# Altium PCB SVEC.pcbdoc (part 3 of 18) (continued)
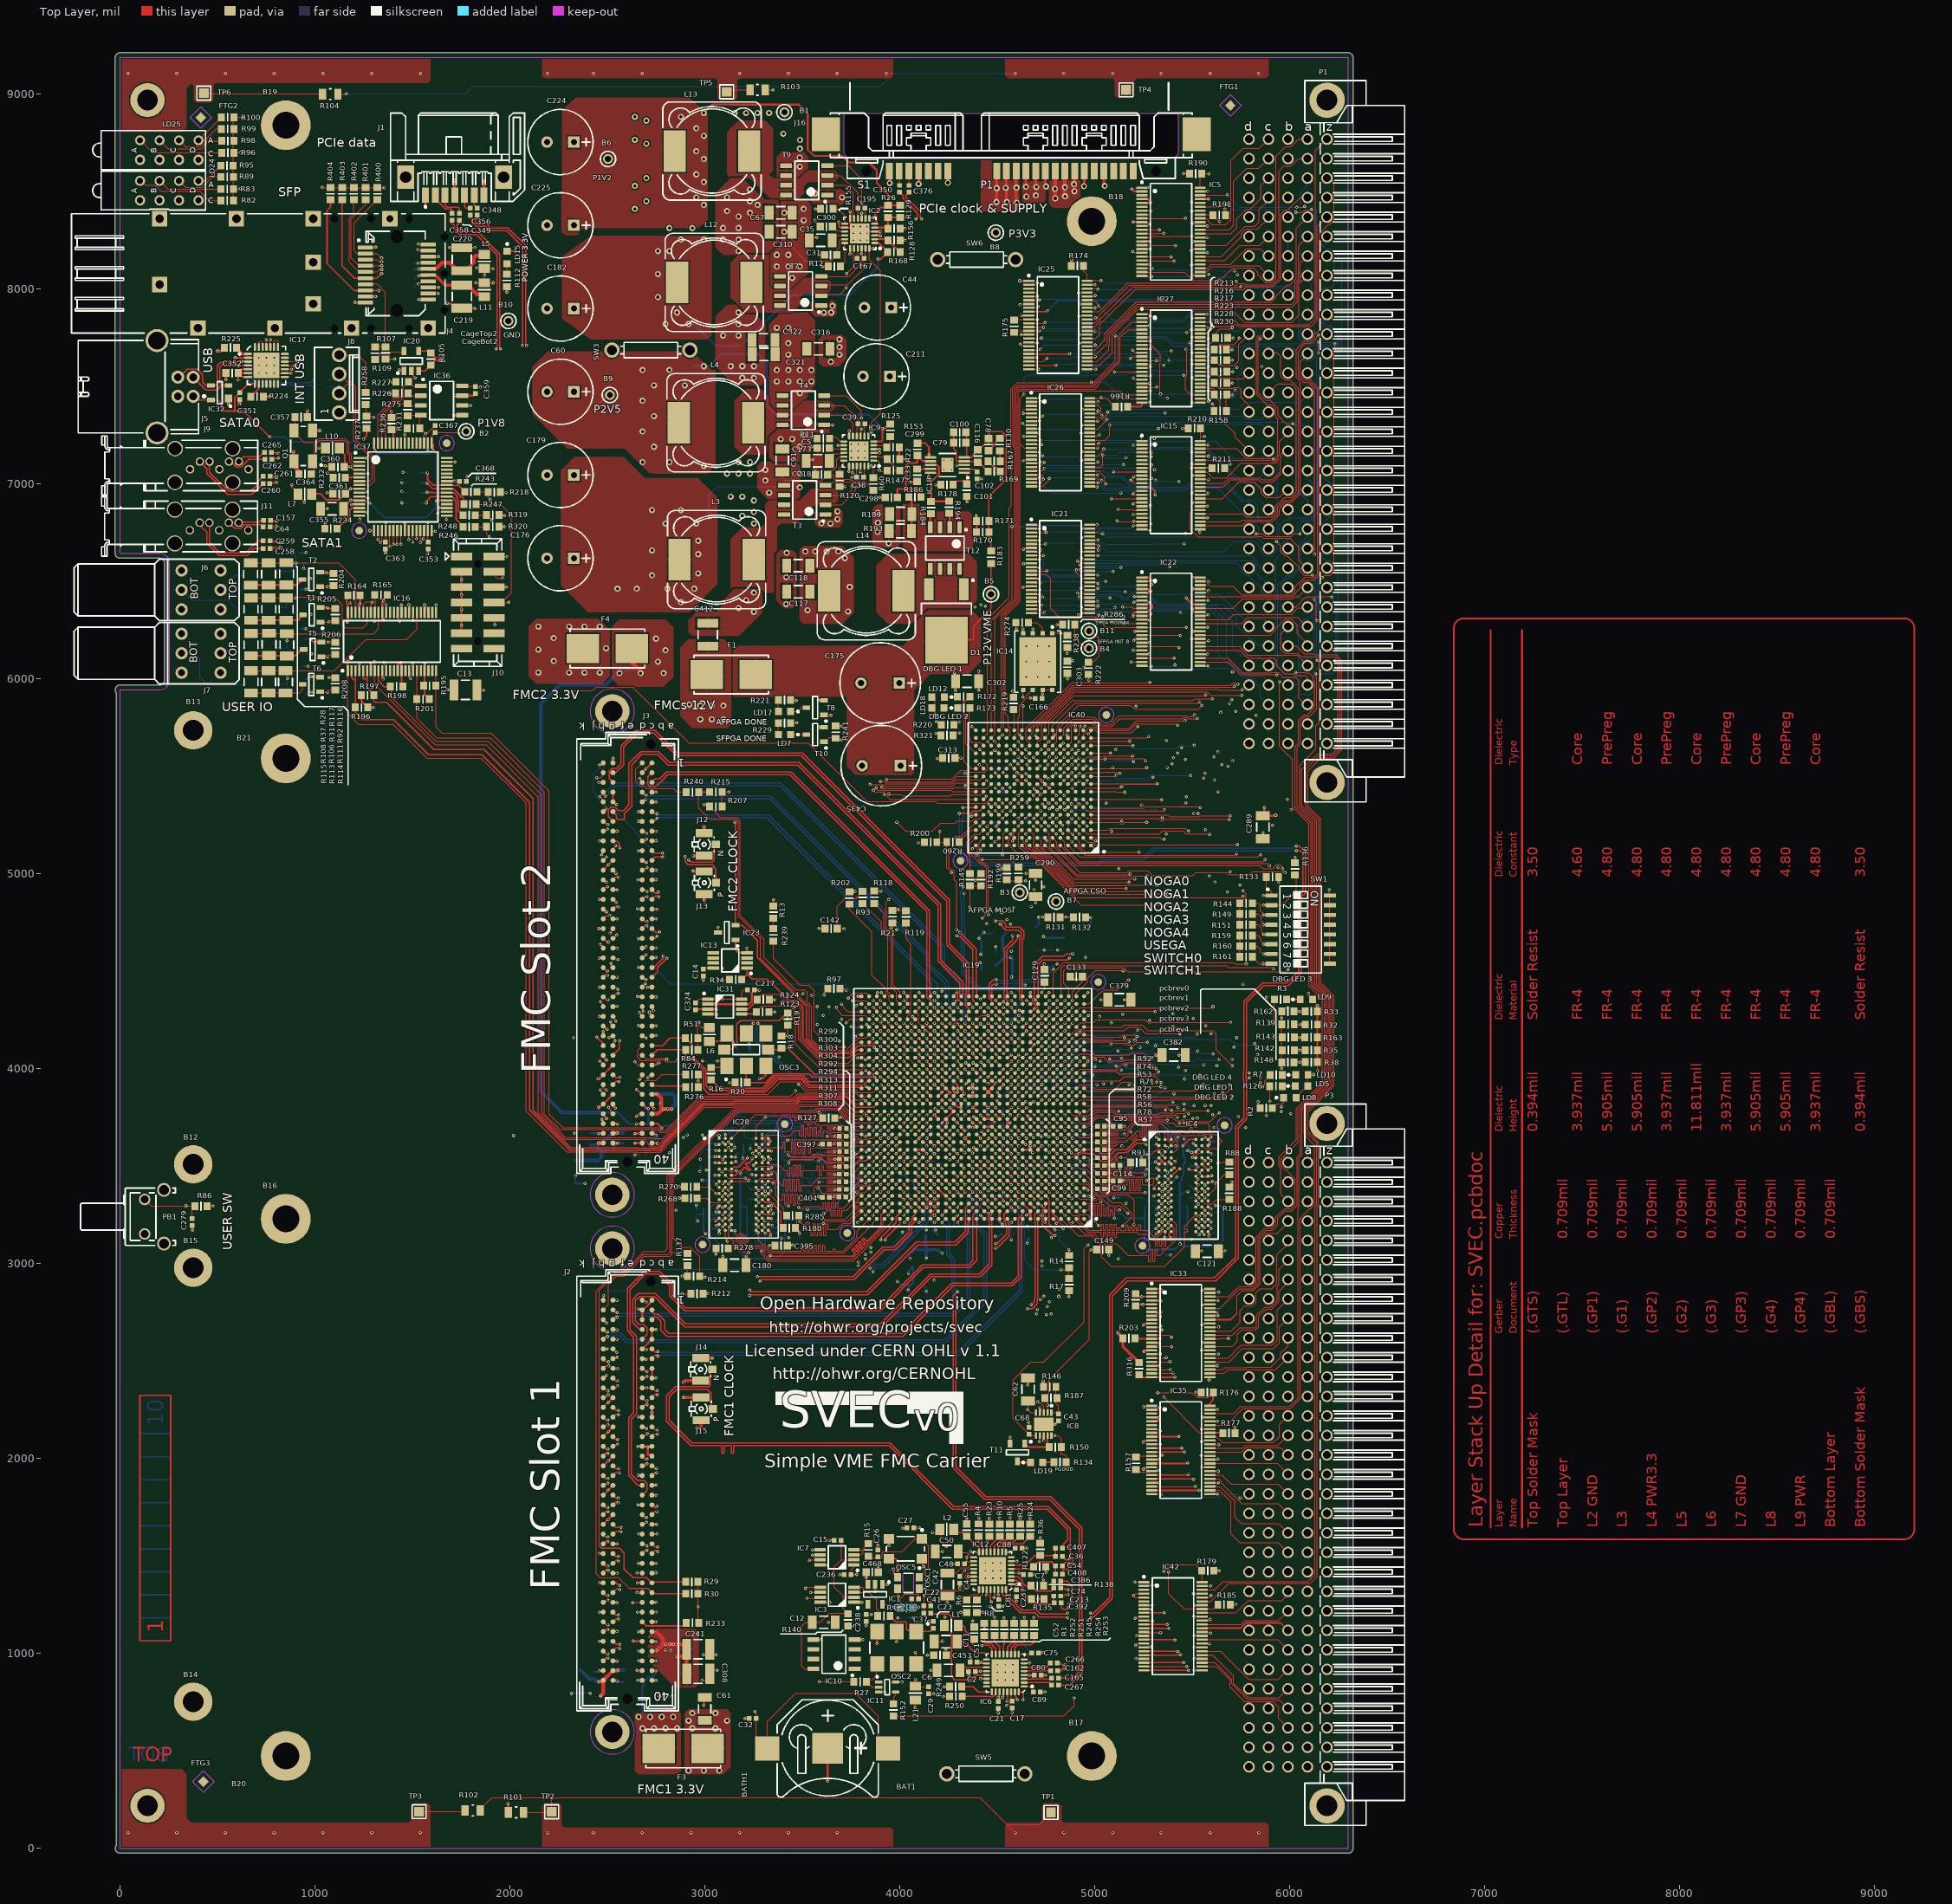
[diagram p0: Top Layer view]
## Footprints (in the part's own frame and the unit in brackets; to place one, negate y for a bottom-side part, rotate by r counter-clockwise, add the part's x,y. Pads: shape width x height; smd on the part's side, far side on the other; paste and mask are expansions set on the pad) (continued)
  rect 1.55x0.55 smd: 1(-3.8,4.445) 2(-3.8,3.175) 3(-3.8,1.905) 4(-3.8,0.635) 5(-3.8,-0.635) 6(-3.8,-1.905) 7(-3.8,-3.175) 8(-3.8,-4.445) 9(3.8,-4.445) 10(3.8,-3.175) 11(3.8,-1.905) 12(3.8,-0.635) 13(3.8,0.635) 14(3.8,1.905) 15(3.8,3.175) 16(3.8,4.445)
  silkscreen extent -4.42,-5.65 2.7,5.65, body extent -4.06,-5.64 4.06,5.64, height 2.36
TO228P991X239-3N-R546X521 [mm] "TO-252AA DPAK TO, 2.28mm pitch; 2 pin,9.905mm L X 6.095mm W X 2.39mm H body, IPC Medium Density"
  rect 2.85x1.25 smd: 1(-4.15,2.28) 2(-4.15,-2.28)
  rect 6.1x5.55 smd: 3(2.5,0)
  silkscreen extent -5.42,-3.25 -0.9,3.58, body extent -5,-3.38 5.27,3.37, height 2.38
TPS127 [mil] "1.27 x  1.27mm SMD Test Point Area"
  rect 50x50 smd paste-50: 1(0,0)
  silkscreen extent -35,-35 35,35
TYCO_292304-1 [mm] "Thru Hole, Right Angle, 4 Position, Type B, USB Receptacle"
  round 1.7 hole 1: 1(1.25,1) 2(-1.25,1) 3(-1.25,-1) 4(1.25,-1)
  round 3 hole 2.3: 5(-6.02,-3.71) 5(6.02,-3.71)
  silkscreen extent -6.13,-13.98 6.13,2.58, body extent -7.19,-13.98 7.19,1.72, height 11.5
TYCO_1367073-1 [mm] "20 Position, Pitch 0.8mm SFP Receptacle (Small Form-factor Pluggable)"
  rect 2x0.5 smd: 1(-4.1,3.395) 2(-4.1,2.595) 3(-4.1,1.795) 4(-4.1,0.995) 5(-4.1,0.195) 6(-4.1,-0.605) 7(-4.1,-1.405) 8(-4.1,-2.205) 9(-4.1,-3.005) 10(-4.1,-3.805) 11(4.1,-3.405) 12(4.1,-2.605) 13(4.1,-1.805) 14(4.1,-1.005) 15(4.1,-0.205) 16(4.1,0.595) 17(4.1,1.395) 18(4.1,2.195) 19(4.1,2.995) 20(4.1,3.795)
  round 1 hole 1.6 unplated mask+0.28: MTG1(0,4.795) MTG2(0,-4.805)
  silkscreen extent -42.4,-7.77 6.3,7.77, body extent -4.5,-5.5 4.5,5.5, height 5.22
TYCO_6367034-1 [mm] "Cage bottom For Single Port SFP  (Small Form-factor Pluggable)"
  rect 2x2 hole 1.1: 21(-30.9,7.125) 22(-20.9,7.125) 23(-10.9,7.125) 25(-25.9,-7.125) 26(-15.9,-7.125) 27(-5.9,-7.125) 28(4.1,-7.125) 29(-30.9,-1.455) 30(-10.9,-3.955) 31(-10.9,1.445)
  rect 2x2 hole 0.9: 24(-0.9,7.125)
  round 0.5 hole 1 unplated mask+0.25: 32(-8.1,7.125) 33(-3.4,7.125) 34(1.6,7.125) 35(-8.1,-7.125) 36(-3.4,-7.125) 37(1.6,-7.125)
  silkscreen extent -42.4,-7.77 6.3,7.77, body extent -42.4,-7.77 6.1,7.77, height 8.8
TYCO_6367035-1 [mm] "Cage Top For Single Port SFP  (Small Form-factor Pluggable)"
  round 0.5 hole 1 unplated mask+0.25: CAGE(6.2,-4.805) CAGE(6.2,-0.005) CAGE(6.2,4.795)
  silkscreen extent -42.4,-7.77 6.3,7.77, body extent -42.4,-7.77 6.3,7.89, height 10.34
XTAL_ABRACON_ABM3B [mm] "ABM3B Serie, SMD Cristal, Body 5.x3.2mm"
  rect 1.2x1.8 smd: 1(-1.2,2) 2(-1.2,-2) 3(1.2,-2) 4(1.2,2)
  silkscreen extent -2.45,-2.55 1.65,2.62, body extent -1.65,-2.55 1.65,2.55, height 1.1

## Part data
B1 B2 B3 B4 B5 B6 B7 B8 B9 B10 B11: library part PLATED_HOLE0.8_PAD1.3, "Single Terminal Socket"
B12 B13 B14 B15: library part PLATED_HOLE2.7_PAD5.0, "Single Terminal Socket"
B16 B17 B18 B19 B20 B21: library part PLATED_HOLE3.5_PAD6.5, "Single Terminal Socket"
BAT1: library part BAT_VARTA_CR1220, "Battery for use only with Socket Holder"
BATH1: library part BATH_KEYSTONE_3000, "Battery Holder whit 2 Pin"
C1 C2 C3 C4 C7 C8 C9 C10 C14 C15 C17 C18 C19 C20 C21 C22 C23 C24 C25 C26 C27 C28 C29 C30 C32 C34 C36 C37 C38 C39 C40 C41 C43 C48 C51 C53 C54 C57 C58 C59 C64 C68 C74 C75 C80 C81 C88 C89 C92 C94 C95 C96 C97 C98 C99 C102 C103 C104 C105 C106 C107 C108 C109 C112 C113 C114 C115 C123 C124 C125 C126 C127 C132 C150 C151 C152 C153 C154 C155 C156 C157 C158 C159 C160 C161 C162 C164 C165 C166 C167 C168 C170 C171 C172 C174 C177 C178 C184 C185 C186 C187 C188 C189 C190 C191 C192 C193 C194 C195 C196 C197 C198 C199 C201 C202 C203 C204 C205 C206 C207 C208 C213 C214 C215 C216 C217 C221 C222 C223 C226 C227 C228 C229 C230 C231 C232 C233 C234 C235 C236 C237 C238 C239 C240 C242 C243 C244 C245 C246 C247 C248 C249 C250 C251 C252 C253 C254 C255 C256 C257 C258 C259 C260 C261 C262 C263 C264 C265 C266 C267 C274 C275 C276 C277 C278 C279 C280 C281 C282 C283 C284 C285 C286 C287 C288 C291 C292 C293 C294 C295 C296 C297 C306 C307 C314 C315 C317 C318 C319 C320 C323 C324 C325 C326 C327 C328 C329 C330 C331 C332 C333 C334 C335 C336 C337 C338 C339 C340 C341 C342 C343 C344 C345 C346 C347 C348 C349 C350 C351 C353 C354 C356 C358 C359 C362 C363 C365 C366 C367 C368 C369 C370 C371 C372 C373 C376 C378 C383 C384 C385 C386 C387 C388 C389 C390 C391 C392 C393 C394 C397 C398 C399 C400 C401 C402 C403 C404 C405 C406 C407 C408 C436 C437 C447 C457 C464 C465 C500 C501 C506 C507 C512 C513 C516 C517 C519 C520 C521 C522: library part CC0402_100NF_16V_10%_X7R, "Non-polarised capacitor"
C5 C16 C31 C33 C52 C55 C65 C69 C70 C73 C76 C84 C85 C86 C87 C110 C111 C120 C122 C129 C130 C131 C133 C134 C140 C141 C142 C143 C144 C145 C146 C147 C149 C200 C218 C270 C271 C272 C273 C300 C303 C304 C305 C311 C312 C313 C352 C360 C361 C395 C396 C431 C453 C468: library part CC0603_1UF_16V_10%_X7R, "Non-polarised capacitor"
C6 C11 C12 C35 C42 C45 C46 C47 C49 C50 C56 C61 C62 C63 C66 C67 C71 C72 C77 C82 C83 C90 C91 C93 C117 C118 C119 C121 C128 C135 C136 C137 C138 C139 C148 C163 C169 C173 C180 C181 C183 C209 C210 C212 C268 C269 C289 C290 C302 C309 C310 C316 C321 C322 C355 C374 C375 C377 C379 C380 C381 C382: library part CC1206_22UF_10V_10%_X7R, "Non-polarised capacitor"
C13 C219 C220 C241 C301 C308 C412: library part CC1210_10UF_25V_10%_X7R, "Non-polarised capacitor"
C44 C60 C176 C179 C182 C211 C224 C225: library part CAER_150UF_6.3V_20%_SANYO_6SEQP150M, "Polarised capacitor"
C78: library part CC0603_5.6NF_50V_5%_X7R, "Non-polarised capacitor"
C79 C100 C357 C364: library part CC0603_27PF_50V_5%_NP0, "Non-polarised capacitor"
C101 C116 C298 C299: library part CC0603_100PF_50V_5%_NP0, "Non-polarised capacitor"
C175 C435: library part CAER_150UF_16V_20%_SANYO_16SEQP150M, "Polarised capacitor"
CageBot2: library part TYCO_6367034-1, "SFP  Cage Bottom (Small Form-factor Pluggable)"
CageTop2: library part TYCO_6367035-1, "SFP  Cage Top (Small Form-factor Pluggable)"
D1: "Diode  Schottky Anode pin 1 and 2 cathode pin 3"
D2 D3 D4 D5: "Serial Diode"
F1 F3 F4: library part FUSE_LITTELFUSE_0154003.DR, "Fuse"
F2 F5 F6 F7: library part FUSR1812_TYCO-miniSMD0114F, "Fuse"
FTG1 FTG2 FTG3 FTG4 FTG5 FTG6: library part FIDUCIAL_TARGET_S100-200, "Fiducial Target"
IC1: "150mA Micropower Low-Dropout CMOS Voltage Regulator"
IC2 IC9: "Dual Synchronous Step-Down Controller For Low Voltage Power Rails"
IC3 IC7: "2.7V to 5.5V, 250uA, Rail-to-Rail Output 16-Bit nanoDAC"
IC4 IC28: "16 Meg x 16 x 8 Banks DDR3 SDRAM"
IC5 IC15 IC16 IC21 IC22 IC25 IC26 IC27 IC33 IC35 IC42: "8-Bit Universal Bus Transceiver and Two 1-Bit Bus Transceivers with 3-State Outputs"
IC6 IC12: "Four Output, Integrated VCO, Low-Jitter Clock Generator"
IC8: "Sink/Source DDR Termination Regulator"
IC10: "Reference Diode"
IC11: "Single Inverter Buffer"
IC13: "Programmable Resolution 1-Wire Digital Thermometer"
IC14: "128 Mbit (Multilevel), low-voltage, Serial Flash memory with 50-MHz SPI bus interface"
IC17: "Single-Chip USB to UART Bridge"
IC18: "4.5V To 52v Input Current Mode Boost Controller"
IC19: "SPARTAN-6, FPGA, 900-Ball BGA, Commercial Grade, Pb-Free"
IC20: "High-Speed Differential Line Receiver"
IC23: "3.075V Microcontroller Supervisory Circuit With Push-Pull Output"
IC31: "64K I2C Serial EEPROM"
IC32: "Ultra Low Capacitance Double Rail-to-Rail ESD Protection Diode"
IC36: "1Kb (x8/x16) Serial Microwire Bus EEPROM"
IC37: "Dual High Speed USB to Multipurpose UART/FIFO IC"
IC40: "Spartan-6 LX 1.2V FPGA, 186 User I/Os, 256-Ball Fine-Pitch Thin BGA (1.0mm Pitch), Speed Grade 2, Commercial Grade, Pb-Free"
J1: library part 3M_5607-4200-SH, "7 Pin + 1 Shield SATA Receptacle"
J2 J3: library part SAMTEC_ASP-134603-01, "Connector VITA 57, 160 Female contacts in 4 row cdgh"
J4: library part TYCO_1367073-1, "20 Position SFP  Connector (Small Form-factor Pluggable)"
J5: library part TYCO_292304-1, "4 Pin + 1 Shield USB Receptacle"
J6 J7: library part LEMO_EPY.00.250.NTNY, "Dual Female Coax 1-2 Common Shield 3"
J8: library part MOLEX_22-04-1041, "Connector 4 Male"
J9 J11: library part FCI_10074141-001LF, "7 Pin + 1 Shield SATA Receptacle"
J10: library part MOLEX_87832-1420, "Connector 14 Male"
J12 J13 J14 J15: library part HIROSE_U.FL-R-SMT-1(10)
J16: library part MOLEX_87703-0001, "7 Signal Pin + 15 Power Pin SATA Connecteur"
L1 L2 L5 L6 L7 L8 L9 L10 L11 L21: library part IND0805_MURATA_BLM21PG221SN1D, "Inductor"
L3 L4 L12 L13 L14: library part IND_1.5UH_30%_BOURNS_SRR1260, "Inductor"
LD5 LD7 LD8 LD9 LD10 LD12 LD15 LD17 LD18 LD19: library part LED_ROHM_SML-311UTT86K, "LED Red 1C 2A"
LD24 LD25: library part LED_BIVAR_H485CHDL, "LED x4 Red 1C2A-BOT_3C4A_5C6A_7C8A-TOP"
OSC1: library part OSC_25MHZ_RAKON_IVT3205CR, "Oscillator 4 pins 1=VCO 3=GND 4=OUT 6=VDC"
OSC2: library part "OSC_20MHZ_IQD_LF VCXO026156", "3.3V ±100ppm 15pF HCMOS Tri-State Surface Mount Voltage Controlled Oscillator VCXO (CFPV-45 Serie)"
OSC3: library part OSC_10-280MHZ_SILICON-LAB_Si570BBC000121DG, "Any-Rate I2C Programmable XO Oscillator Si570 Serie"
OSC5: library part OSC_25MHZ_MERCURY_VM53S3-25.000-2.5/-30+75, "Oscillator 4 pins 1=VC 2=GND 3=OUT 4=+Vs"
P1 P3: library part "HARTING_02 01 160 2101", "Connector 160zabcd Male (5x32)"
PB1: library part PB_ALPS_SKHHLQA010, "Push-Button Switch SPDT"
Q1: library part XTAL_12MHZ_ABRACON_ABM3B-12.000MHZ-B2-T, "Crystal 4 pins 1=XTAL Control 2=GND3=XTAL 4=GND"
R1 R4 R5 R6 R8 R10 R17 R23 R24 R25 R107 R121 R132 R154 R245 R249 R250 R251 R252 R253 R254 R262 R263 R279 R315: library part R0603_0R_JUMPER, "Resistor - 1%"
R2 R3 R7 R29 R30 R51 R82 R83 R84 R89 R95 R96 R98 R99 R100 R112 R126 R134 R172 R173 R186 R221 R229 R239 R275: library part R0603_1K1_1%_0.1W_100PPM, "Resistor - 1%"
R9 R15 R36 R118 R122 R135 R138 R140 R180 R188 R202: library part R0603_240R_1%_0.1W_100PPM, "Resistor - 1%"
R11 R12 R14 R18 R19 R20 R21 R60 R86 R87 R88 R90 R120 R131 R155 R170 R270 R278 R285: library part R0603_5K1_1%_0.1W_100PPM, "Resistor - 1%"
R13 R27 R97 R152 R184 R194 R259 R260 R274: library part R0603_39R_1%_0.1W_100PPM, "Resistor - 1%"
R16 R91 R105 R109 R110 R127 R141 R145 R243 R246 R247 R248 R268 R291: library part R0603_100R_1%_0.1W_100PPM, "Resistor - 1%"
R22 R93 R119 R123 R124 R153 R192 R199 R200 R222 R238 R244 R255 R256 R257 R286 R321: library part R0603_3K3_1%_0.1W_100PPM, "Resistor - 1%"
R26 R125 R147 R156 R171: library part R0603_7K5_1%_0.1W_100PPM, "Resistor - 1%"
R28 R31 R37 R92 R106 R108 R111 R113 R114 R115 R116 R117: library part R1206_150R_1%_0.25W_100PPM, "Resistor - 1%"
R32 R33 R34 R35 R38 R133 R136 R137 R139 R142 R143 R144 R148 R149 R151 R159 R160 R161 R162 R163 R207 R212 R233 R240 R276 R277: library part R0603_4K7_1%_0.1W_100PPM, "Resistor - 1%"
R39 R40 R41 R42 R43 R44 R45 R46 R47 R48 R49 R50 R52 R53 R54 R55 R56 R57 R58 R59 R61 R62 R63 R64 R65 R66 R67 R68 R69 R70 R71 R72 R73 R74 R75 R76 R77 R78 R79 R80 R81 R85 R94 R181 R182 R235 R242 R261 R264 R265 R266 R267 R269 R271 R272 R273 R280 R281 R282 R283 R284 R287 R288 R289 R290 R292 R293 R294 R295 R296 R297 R298 R299 R300 R301 R302 R303 R304 R305 R306 R307 R308 R309 R310 R311 R312 R313 R314: library part R0402_51R_1%_0.0625W_100PPM, "Resistor - 1%"
R101 R102 R103 R104: library part R0805_2M2_1%_0.125W_100PPM, "Resistor - 1%"
R128 R129 R130 R146 R150 R157 R158 R164 R165 R166 R167 R168 R174 R175 R176 R177 R179 R185 R187 R190 R191 R195 R196 R197 R198 R201 R203 R204 R205 R206 R208 R209 R210 R211 R213 R214 R215 R216 R217 R218 R219 R220 R223 R224 R225 R226 R227 R228 R230 R231 R234 R236 R237 R241 R258 R316 R319 R320 R400 R401 R402 R403 R404: library part R0603_10K_1%_0.1W_100PPM, "Resistor - 1%"
R169 R183: library part R0603_47K_1%_0.1W_100PPM, "Resistor - 1%"
R178: library part R0603_470K_1%_0.1W_100PPM, "Resistor - 1%"
R189 R193: library part R1206_0R22_1%_0.5W_600PPM, "Resistor - 1%"
R232: library part R0603_12K1_0.1%_0.063W_10PPM, "Resistor - 0.1%"
SW1: library part SW_TYCO_1-1571983-0, "8 Ways SPST DIP Switch"
SW3 SW5 SW6: library part COMATEL_313.0004.0.00.500, "Jumper 2 pins"
T1 T2 T5 T6 T8 T10 T11: "N-CHANNEL MOSFET WITH DIODE"
T3 T4 T7 T9 T12: "Dual SO-8 MOSFET For POL Cconverter"
TP1 TP2 TP3 TP4 TP5 TP6: library part SMD_PAD_1.27X1.27MM

## Free pads (board coordinates)
  round 175.2 hole 106.3: E1(140.55,8968.51) E2(140.55,218.5) H3(2524.81,5833.86) H4(2524.81,3353.15) H7(2524.81,3077.56) H8(2524.81,597.64)

## Via types
v1: diameter 15.75, hole 7.87, Top Layer to Bottom Layer, tented both sides, 2844 vias
v2: diameter 31.5, hole 15.75, Top Layer to Bottom Layer, tented both sides, 224 vias
v3: diameter 19.68, hole 7.87, Top Layer to Bottom Layer, tented both sides, 31 vias
v4: diameter 15.75, hole 7.87, Top Layer to Bottom Layer, 17 vias

## Nets (pads, with @x,y where several pads share a name; then routed paths per layer and width w, separated by ;. In a path a pad name is that pad's centre, name@x,y a point inside that pad or via, vN(x,y) a via of type N, cw(c..) or ccw(c..) an arc to the next point about the centre after c; other vN are vias at no path point)
2V5_AFPGA_CCLK: IC19.AJ26 R202.2 | length 603
  Top Layer w5: R202.2@3740.55,4844.01 3740.55,4817.51 3855.55,4702.51 3855.55,4480.51 3928.55,4407.51 3928.55,4388.51 3943.61,4373.45 3943.61,4348.56 IC19.AJ26@3960.17,4332
2V5_AFPGA_CSO_B: B7.1 IC19.AK6 | length 646.3
  Top Layer w5: IC19.AK6@4747.57,4371.37 v1@4767.26,4391.06
  L6 w5: v1(4672.55,4831.51) 4774.55,4831.51 B7.1@4800.55,4857.51
  L5 w5: v1(4672.55,4831.51) 4675.55,4828.51 4675.55,4543.51 4767.26,4451.8 v1@4767.26,4391.06
  other v1: 4764.69,4390.64
2V5_AFPGA_INIT_B: IC19.AJ6 R199.1 R259.2 | length 790
  Top Layer w5: R199.1@4548.55,4969.01 4553.06,4964.51 v1(4644.55,4964.51) ; IC19.AJ6@4747.57,4332 v1(4767.25,4351.69)
  L5 w4: v1(4644.55,4964.51) 4658.68,4950.38 4658.68,4825.76 4663.55,4820.89 4663.55,4528.51 4751.55,4440.51 4751.55,4397.13 4750.81,4396.39 4750.81,4368.13 v1(4767.25,4351.69)
2V5_AFPGA_MISO: IC19.AJ25 R118.2 | length 570.3
  Top Layer w5: R118.2@3868.55,4848.01 3918.55,4798.01 3918.55,4718.51 3955.55,4681.51 3955.55,4419.51 3983.2,4391.86 3983.2,4348.34 IC19.AJ25@3999.54,4332
2V5_AFPGA_MOSI: B3.1 IC19.AK25 | length 1217.4
  Top Layer w5: v1(3942.55,4867.51) 3929.55,4854.51 3929.55,4720.23 3964.55,4685.23 3964.55,4428.23 3999.54,4393.25 IC19.AK25@3999.54,4371.37
  L6 w5: v1(3942.55,4867.51) 4578.55,4867.51 B3.1@4614.55,4903.51
2V5_AFPGA_PROGRAM: IC19.AB8 R145.1 R192.1 | length 1234.9
  Top Layer w5: v1(4358.55,4828.51) 4359.55,4829.51 R145.1@4359.55,4938.01 R192.1@4415.55,4938.01 ; IC19.AB8@4668.83,4056.41 4682.92,4070.51 v1@4684.55,4070.51
  L6 w4: v1(4358.55,4828.51) 4359.43,4829.38 4577.68,4829.38 v1(4581.55,4825.51) ; v1(4641.55,4428.51) 4632.46,4419.41 4632.46,4236.03 4629.68,4233.25 4629.68,4125.38 v1@4684.55,4070.51
  L8 w4: v1(4581.55,4825.51) 4659.55,4747.51 4659.55,4446.51 v1(4641.55,4428.51)
  other v1: 4688.51,4076.1
AFPGA_DONE: IC19.AD25 R200.1 R260.2 T8.1 | length 2615.4
  Top Layer w5: T8.1@3610.63,5814.37 3643.96,5814.37 v1(3645.69,5812.64) ; v1@3980.55,4162.51 3980.55,4155.51 3981.55,4155.51 3981.55,4154.51 v1@3980.18,4154.51 ; IC19.AD25@3999.54,4135.15 v1@3980.18,4154.51 ; v1(4205.55,5217.51) 4205.55,5178.01 R200.1@4189.05,5161.51 4239.06,5161.51 R260.2@4240.06,5162.51 4240.06,5031 v1(4264.55,5006.51) ; v1@3980.18,4154.51 3979.52,4154.51 v1(3979.85,4154.84) v1@3980.18,4154.51
  L6 w5: v1(3645.69,5812.64) 3645.69,5680.64 3680.69,5645.64 4026.69,5645.64 4205.55,5466.77 v1(4205.55,5217.51) ; v1(3982.55,4712.51) 3982.55,4725.51 3888.18,4819.88 3888.18,4917.46 3902.23,4931.51 4189.55,4931.51 v1(4264.55,5006.51)
  L5 w5: v1@3980.55,4155.51 3981.55,4155.51 3999.93,4173.88 3999.93,4695.13 v1(3982.55,4712.51)
AFPGA_M0: IC19.AK26 R93.1 | length 538.4
  Top Layer w5: R93.1@3808.55,4847.01 3903.55,4752.01 3903.55,4712.51 3937.55,4678.51 3937.55,4393.99 IC19.AK26@3960.17,4371.37
AFPGA_M1: IC19.AG24 R119.1 | length 520.3
  Top Layer w5: R119.1@4030.55,4747.01 4030.55,4665.4 4055.25,4640.71 4055.25,4285.86 4045.68,4276.29 ; IC19.AG24@4038.91,4253.26 4038.91,4269.52 ; 4038.91,4269.52 4045.68,4276.29 ; 4038.91,4269.52 4045.68,4276.29
BOOT_CLK: IC40.F14 R202.1 | length 1050.2
  Top Layer w5: R202.1@3740.55,4907 3767.05,4907 v1(3769.55,4909.51) ; v1(4455.55,5356.51) 4455.55,5354.54 IC40.F14@4468.02,5342.08
  L6 w5: v1(3769.55,4909.51) 3769.55,4964.51 3816.55,5011.51 4176.55,5011.51 4278.18,5113.13 4378.18,5113.13 4426.55,5161.51 4426.55,5327.51 v1(4455.55,5356.51)
BOOT_CONFIG: IC40.C15 R145.2 | length 277.8
  Top Layer w5: R145.2@4359.55,5001 4359.55,5091.51 4346.55,5104.51 4346.55,5133.51 4345.22,5134.84 4345.22,5161.17 4371.94,5187.89 4371.94,5191.78 4382.09,5201.94 4406.62,5201.94 IC40.C15@4428.65,5223.97
BOOT_DONE: IC40.C16 R260.1 | length 111.7
  Top Layer w5: R260.1@4303.05,5162.51 4364.51,5223.97 IC40.C16@4389.28,5223.97
BOOT_DOUT: IC40.F13 R118.1 | length 1017.2
  Top Layer w5: R118.1@3868.55,4911 3902.05,4911 v1(3902.55,4911.51) ; v1(4488.55,5358.51) 4504.98,5342.08 IC40.F13@4507.39,5342.08
  L6 w5: v1(3902.55,4911.51) 4189.88,4911.51 4314.38,5036.01 4455.05,5036.01 4508.93,5089.88 4508.93,5338.13 v1(4488.55,5358.51)
BOOT_STATUS: IC40.E16 R259.1 | length 504.6
  Top Layer w5: v1(4365.55,5295.51) 4372.76,5302.71 IC40.E16@4389.28,5302.71 ; v1(4422.55,5073.51) 4568.05,5073.51 R259.1@4607.55,5034
  L5 w5: v1(4365.55,5295.51) 4357.18,5287.13 4357.18,5097.88 4381.55,5073.51 v1(4422.55,5073.51)
C_SATA0_RX_N: C262.2 J9.5 | length 211.2
  Top Layer w6: J9.5@559.08,7114.19 568.56,7114.19 597.21,7085.54 620.95,7085.54 660.92,7125.51 C262.2@741.84,7125.51
C_SATA0_RX_P: C265.2 J9.6 | length 151.8
  Top Layer w6: J9.6@609.08,7114.19 634.4,7139.51 714.55,7139.51 737.55,7162.51 C265.2@740.84,7162.51
C_SATA0_TX_N: C261.2 J9.3 | length 412
  Top Layer w6: J9.3@459.08,7114.19 459.08,7059.03 557.58,6960.54 669.59,6960.54 708.55,6999.51 708.55,7014.22 C261.2@733.84,7039.51
C_SATA0_TX_P: C260.2 J9.2 | length 431
  Top Layer w6: J9.2@409.08,7114.19 445.08,7078.19 445.08,7053.23 466.43,7031.89 551.78,6946.54 602.61,6946.54 675.38,6946.54 677.61,6948.76 679.1,6948.76 C260.2@732.84,7002.51
C_SATA1_RX_N: C259.2 J11.3 | length 424.8
  Top Layer w6: J11.3@458.08,6801.19 458.08,6700.98 512.51,6646.55 645.6,6646.55 706.55,6707.51 C259.2@734.84,6707.51
C_SATA1_RX_P: C258.2 J11.2 | length 452.1
  Top Layer w6: J11.2@408.08,6801.19 408.08,6788.98 444.08,6752.98 444.08,6695.18 506.71,6632.55 651.4,6632.55 686.35,6667.51 C258.2@734.84,6667.51
C_SATA1_TX_N: C64.2 J11.5 | length 201
  Top Layer w6: J11.5@558.08,6801.19 586.74,6772.54 619.95,6772.54 637.89,6790.47 722.87,6790.47 C64.2@734.84,6778.51
C_SATA1_TX_P: C157.2 J11.6 | length 132.9
  Top Layer w6: J11.6@608.08,6801.19 628.81,6801.19 632.09,6804.47 675.75,6804.47 711.52,6804.47 720.55,6813.51 C157.2@735.84,6813.51
CLK20_VCXO: IC19.V26 R27.2 | length 5923.6
  Top Layer w5: v1(3586.55,856.51) 3750.06,856.51 R27.2@3754.06,852.51 ; v1(3940.48,3918.62) IC19.V26@3960.17,3898.93
  L3 w5: v1(3586.55,856.51) 3562.18,880.88 2440.18,880.88 2289.05,1032.01 2289.05,3464.13 2397.76,3572.84 2646.11,3572.84 2665.03,3553.92 2901.6,3553.92 2964.18,3616.51 2964.18,3725.13 3113.05,3874.01 3287.05,3874.01 3313.06,3900.01 3473.64,3900.01 3480.03,3893.62 3915.49,3893.62 v1(3940.48,3918.62)
DBG_LED1_N: IC19.R6 R126.1 | length 1298
  Top Layer w5: IC19.R6@4747.57,3780.82 v1(4767.25,3761.14) ; R126.1@5897.06,3910.51 5897.06,3835 v1(5898.55,3833.51)
  L6 w4: v1(4767.25,3761.14) 4772.18,3761.14 4830.55,3819.51 5348.24,3819.51 5382.24,3853.51 5609.55,3853.51 5633.55,3829.51 5817.2,3829.51 5830.94,3815.77 5842.43,3815.77 5856.17,3829.51 5894.55,3829.51 v1(5898.55,3833.51)
DBG_LED2_N: IC19.AF1 R2.1 | length 1185.3
  Top Layer w4: v1(5836.69,3829.64) 5836.69,3810.64 5847.19,3800.14 R2.1@5847.19,3797.64
  Top Layer w5: IC19.AF1@4944.42,4213.89 5140.94,4213.89 5151.55,4224.51 5241.55,4224.51 5271.55,4194.51 5523.69,4194.51 5524.06,4194.88 5605.45,4194.88 5622.69,4177.64 5622.69,4096.64 v1(5703.69,4015.64)
  L8 w4: v1(5703.69,4015.64) 5703.69,3945.64 5819.69,3829.64 v1(5836.69,3829.64)
DBG_LED3_N: IC19.AG1 R3.1 | length 1130.5
  Top Layer w5: IC19.AG1@4944.42,4253.26 4964.11,4272.95 v1@4966.55,4270.51 ; v1(5898.55,4231.51) 5920.06,4253.01 R3.1@5920.06,4355.51
  L6 w4: v1@4966.55,4270.51 4968.55,4270.51 4981.55,4283.51 5065.3,4283.51 5114.3,4234.51 5676.93,4234.51 5688.81,4222.63 5889.68,4222.63 v1(5898.55,4231.51)
  other v1: 4966.55,4272.95
DBG_LED4_N: IC19.U7 R7.1 | length 1260.7
  Top Layer w4: v1(5859.55,3905.51) 5870.55,3916.51 5870.55,3926.51
  Top Layer w5: 5870.55,3926.51 5870.55,3938.51 5898.06,3966.01 R7.1@5898.06,3967.51
  Top Layer w10: IC19.U7@4708.2,3859.56 4708.2,3861.15 v1@4722.55,3875.51
  L6 w4: v1@4722.55,3875.51 4745.55,3875.51 4759.31,3861.75 5330.8,3861.75 5350.55,3881.51 5395.55,3881.51 5406.43,3892.38 5846.43,3892.38 v1(5859.55,3905.51)
  other v1: 4727.88,3879.25
DDR_2_A0: IC19.D28 IC28.N3 R290.1 | length 1144
  Top Layer w5: v1@3863.55,3335.51 3869.18,3335.51 IC19.D28@3881.43,3347.75
  Top Layer w6: v1(3121.55,3249.51) 3135.56,3263.51 IC28.N3@3135.56,3264.77
  L8 w4: v1(3121.55,3249.51) 3158.55,3249.51 3174.68,3233.38 3188.55,3233.38 3188.55,3262.81 3198.55,3262.81 3198.55,3203.95 3208.55,3203.95 3208.55,3262.81 3218.55,3262.81 3218.55,3233.38 3291.43,3233.38 3302.43,3244.38 3346.3,3244.38 3353.86,3236.82 3357.24,3236.82 3416.43,3177.63 3499.43,3177.63 3500.55,3176.51 3793.55,3176.51 3846.68,3229.63 3846.68,3298.25 3847.05,3298.63 3847.05,3313.01 3861.93,3327.88 v1@3863.55,3329.51
  Bottom Layer w6: v1(3121.55,3249.51) 3128.55,3249.51 3142.55,3263.51 R290.1@3145.84,3263.51
  other v1: 3861.74,3328.07
DDR_2_A1: IC19.D30 IC28.P7 R289.1 | length 1150
  Top Layer w5: v1(3608.55,3256.51) 3608.55,3254.51 3609.55,3255.51 3627.55,3273.51 3647.05,3273.51 3647.05,3243.51 3658.05,3243.51 3658.05,3273.51 3669.05,3273.51 3669.05,3243.51 3680.05,3243.51 3680.05,3273.51 3691.05,3273.51 3691.05,3243.51 3702.05,3243.51 3702.05,3273.51 3727.41,3273.51 3755.26,3301.35 3769.1,3287.52 3776.88,3295.29 3763.04,3309.13 3770.82,3316.91 3780.14,3307.59 3787.92,3315.37 3778.59,3324.69 3801.66,3347.75 IC19.D30@3802.69,3347.75
  Top Layer w6: IC28.P7@3261.55,3233.28 3262.78,3233.28 3273.55,3222.51 v1(3273.55,3219.51)
  L3 w4: v1@3273.55,3222.51 v1(3273.55,3219.51) 3273.55,3211.52 3289.93,3195.14 3289.93,3179.13 3298.55,3170.51 3502.55,3170.51 3542.66,3210.62 3554.18,3199.1 3561.25,3206.17 3528.85,3238.57 3535.92,3245.64 3556.81,3224.76 3568.32,3213.24 3575.39,3220.31 3563.88,3231.83 3542.99,3252.71 3550.06,3259.78 3582.46,3227.39 3589.53,3234.46 3578.02,3245.97 3586.55,3254.51 3608.55,3254.51 v1(3608.55,3256.51)
  Bottom Layer w6: R289.1@3251.27,3222.51 3273.55,3222.51 v1(3273.55,3219.51)
DDR_2_A2: IC19.C30 IC28.P3 R288.1 | length 1151.5
  Top Layer w5: v1(3605.55,3225.51) 3606.65,3226.6 3720.91,3226.6 IC19.C30@3802.69,3308.38
  Top Layer w6: v1(3124.55,3221.51) 3124.55,3222.27 IC28.P3@3135.56,3233.28
  L3 w4: v1(3124.55,3221.51) 3162.55,3221.51 3195.09,3188.97 3213.42,3207.3 3220.49,3200.23 3183.83,3163.57 3190.9,3156.49 3227.57,3193.16 3234.64,3186.09 3197.97,3149.42 3205.04,3142.35 3241.71,3179.02 3248.78,3171.95 3212.11,3135.28 3219.18,3128.21 3237.52,3146.54 3266.29,3117.77 3484.81,3117.77 3592.55,3225.51 v1(3605.55,3225.51)
  Bottom Layer w6: v1(3124.55,3221.51) 3135.84,3221.51 R288.1@3144.84,3230.51
DDR_2_A3: IC19.E29 IC28.N2 R287.1 | length 1150.8
  Top Layer w5: v1(3479.55,3288.51) 3484.55,3283.51 3502.81,3283.51 3512.19,3292.88 3585.03,3292.88 3594.4,3283.51 3606.05,3283.51 3606.05,3312.88 3617.05,3312.88 3617.05,3283.51 3628.05,3283.51 3628.05,3312.88 3639.05,3312.88 3639.05,3283.51 3650.05,3283.51 3650.05,3312.88 3661.05,3312.88 3661.05,3283.51 3672.05,3283.51 3672.05,3312.88 3683.05,3312.88 3683.05,3283.51 3711.55,3283.51 3781.11,3353.06 3784.51,3353.06 3796.54,3365.09 3820.03,3365.09 IC19.E29@3842.06,3387.12
  Top Layer w6: v1@3090.55,3252.51 3102.82,3264.77 IC28.N2@3104.07,3264.77
  L3 w4: v1(3090.55,3251.51) 3106.18,3267.13 3258.3,3267.13 3301.54,3310.38 3457.68,3310.38 v1(3479.55,3288.51)
  Bottom Layer w6: R287.1@3036.27,3254.51 3041.14,3249.63 3062.72,3249.63 3067.59,3254.51 3087.55,3254.51 v1(3090.55,3251.51)
DDR_2_A4: IC19.F27 IC28.P8 R284.1 | length 1150
  Top Layer w5: v1(3901.11,3406.81) IC19.F27@3920.8,3426.49
  Top Layer w6: IC28.P8@3293.04,3233.28 3294.78,3233.28 v1(3307.55,3220.51)
  L8 w4: v1(3307.55,3220.51) 3311.43,3216.63 3354.43,3216.63 3402.55,3168.51 3414.55,3168.51 3443.55,3139.51 3579.55,3139.51 3580.55,3140.51 3610.55,3140.51 3610.55,3166.31 3620.55,3166.31 3620.55,3126.7 3630.55,3126.7 3630.55,3166.31 3640.55,3166.31 3640.55,3126.7 3650.55,3126.7 3650.55,3140.51 3837.55,3140.51 3887.24,3190.19 3887.24,3336.93 3901.19,3350.88 3906.3,3350.88 3914.55,3359.13 3914.55,3361.26 3914.99,3361.69 3914.99,3375.3 3901.11,3389.18 v1(3901.11,3406.81)
  Bottom Layer w6: v1(3307.55,3220.51) 3312.43,3215.63 3362.96,3215.63 R284.1@3373.84,3226.51
DDR_2_A5: IC19.H26 IC28.P2 R283.1 | length 1165.5
  Top Layer w5: v1(3940.48,3485.55) IC19.H26@3960.17,3505.23
  Top Layer w6: v1(3088.55,3219.51) 3102.33,3233.28 IC28.P2@3104.07,3233.28
  L8 w4: v1(3088.55,3219.51) 3088.55,3227.76 3105.93,3245.14 3105.93,3255.62 3115.19,3264.88 3125.67,3264.88 3136.93,3276.14 3136.93,3292.9 3270.41,3426.38 3443.11,3426.38 3497.86,3371.63 3635.94,3371.63 3660.19,3395.88 3728.93,3395.88 3802.55,3469.51 3828.08,3469.51 3846.37,3487.8 3846.37,3491.91 3855.37,3500.92 3907.48,3500.92 3907.89,3500.51 3925.52,3500.51 v1(3940.48,3485.55)
  Bottom Layer w6: R283.1@3028.27,3222.51 3032.5,3222.51 3046.38,3236.38 3071.68,3236.38 v1(3088.55,3219.51)
DDR_2_A6: IC19.H27 IC28.R8 R282.1 | length 1155.8
  Top Layer w5: v1(3901.11,3485.55) IC19.H27@3920.8,3505.23
  Top Layer w6: IC28.R8@3293.04,3201.78 3293.04,3200.02 v1@3304.55,3188.51
  L8 w4: v1(3307.55,3186.51) 3318.55,3186.51 3376.81,3128.25 3376.81,3125.89 3388.2,3114.51 3559.55,3114.51 3559.55,3125.48 3569.55,3125.48 3569.55,3114.51 3842.55,3114.51 3923.43,3195.38 3923.43,3298.25 3922.55,3299.13 3922.55,3357.94 3922.99,3358.37 3922.99,3371.56 3932.81,3381.38 3940.43,3381.38 3955.69,3396.64 3955.69,3411.22 3926.61,3440.3 3926.61,3448.45 3901.11,3473.95 v1(3901.11,3485.55)
  Bottom Layer w6: v1@3307.55,3191.51 3310.05,3189.01 3319.43,3179.63 3361.96,3179.63 R282.1@3373.84,3191.51
DDR_2_A7: IC19.C29 IC28.R2 R281.1 | length 1155.9
  Top Layer w5: v1(3606.55,3204.51) 3606.55,3204.76 3618.39,3216.6 3732.65,3216.6 3785.35,3269.3 3785.35,3276.19 3795.5,3286.35 3820.03,3286.35 IC19.C29@3842.06,3308.38
  Top Layer w6: v1(3090.55,3188.51) 3090.55,3190.51 3101.83,3201.78 IC28.R2@3104.07,3201.78
  L3 w4: v1(3090.55,3188.51) 3090.55,3172.51 3153.29,3109.77 3525.81,3109.77 3539.59,3123.54 3524.71,3138.42 3531.78,3145.49 3563.91,3113.36 3570.98,3120.43 3538.85,3152.56 3545.92,3159.63 3560.8,3144.75 3578.05,3127.51 3585.12,3134.58 3567.87,3151.83 3606.55,3190.51 v1(3606.55,3204.51)
  Bottom Layer w6: R281.1@3037.27,3188.51 3037.27,3181.06 3039.7,3178.63 3064.13,3178.63 3074,3188.51 v1(3090.55,3188.51)
DDR_2_A8: IC19.B27 IC28.T8 R280.1 | length 1150
  Top Layer w6: IC28.T8@3293.04,3170.29 3293.77,3170.29 v1(3309.55,3154.51) ; v1(3333.55,3039.51) 3338.87,3044.82 3339.24,3044.82 3345.55,3038.51 3757.55,3038.51 3772.3,3053.25 3753.77,3071.78 3762.25,3080.26 3780.78,3061.73 3789.27,3070.22 3770.74,3088.75 3779.22,3097.24 3797.75,3078.7 3806.24,3087.19 3787.71,3105.72 3796.19,3114.21 3814.72,3095.67 3823.21,3104.16 3804.68,3122.69 3813.16,3131.18 3831.69,3112.65 3902.96,3183.91 3902.96,3251.17 IC19.B27@3920.8,3269.01
  Bottom Layer w6: v1(3333.55,3039.51) 3309.55,3063.51 v1(3309.55,3154.51) 3311.43,3156.38 3372.96,3156.38 R280.1@3373.84,3155.51
DDR_2_A9: IC19.A27 IC28.R3 R273.1 | length 1167.9
  Top Layer w5: IC28.R3@3135.56,3201.78 3135.56,3200.56 3128.8,3193.8 3128.8,3189.8 3126.53,3187.53 3120.19,3181.19 3120.19,3139.38 3148.73,3110.84 3141.65,3103.77 3149.43,3095.99 3156.5,3103.06 3164.28,3095.28 3147.58,3078.58 3155.35,3070.8 3172.06,3087.5 3179.68,3079.88 3196.18,3079.88 3196.18,3058.29 3207.18,3058.29 3207.18,3079.88 3294.92,3079.88 3303.93,3070.87 3303.93,3047.39 3327.19,3024.13 3756.61,3024.13 3913.46,3180.97 3913.46,3222.3 IC19.A27@3920.8,3229.64
  Bottom Layer w6: v1@3128.55,3193.51 R273.1@3145.84,3193.51
  other v1: 3124.55,3189.51